# KiCad board right.kicad_pcb
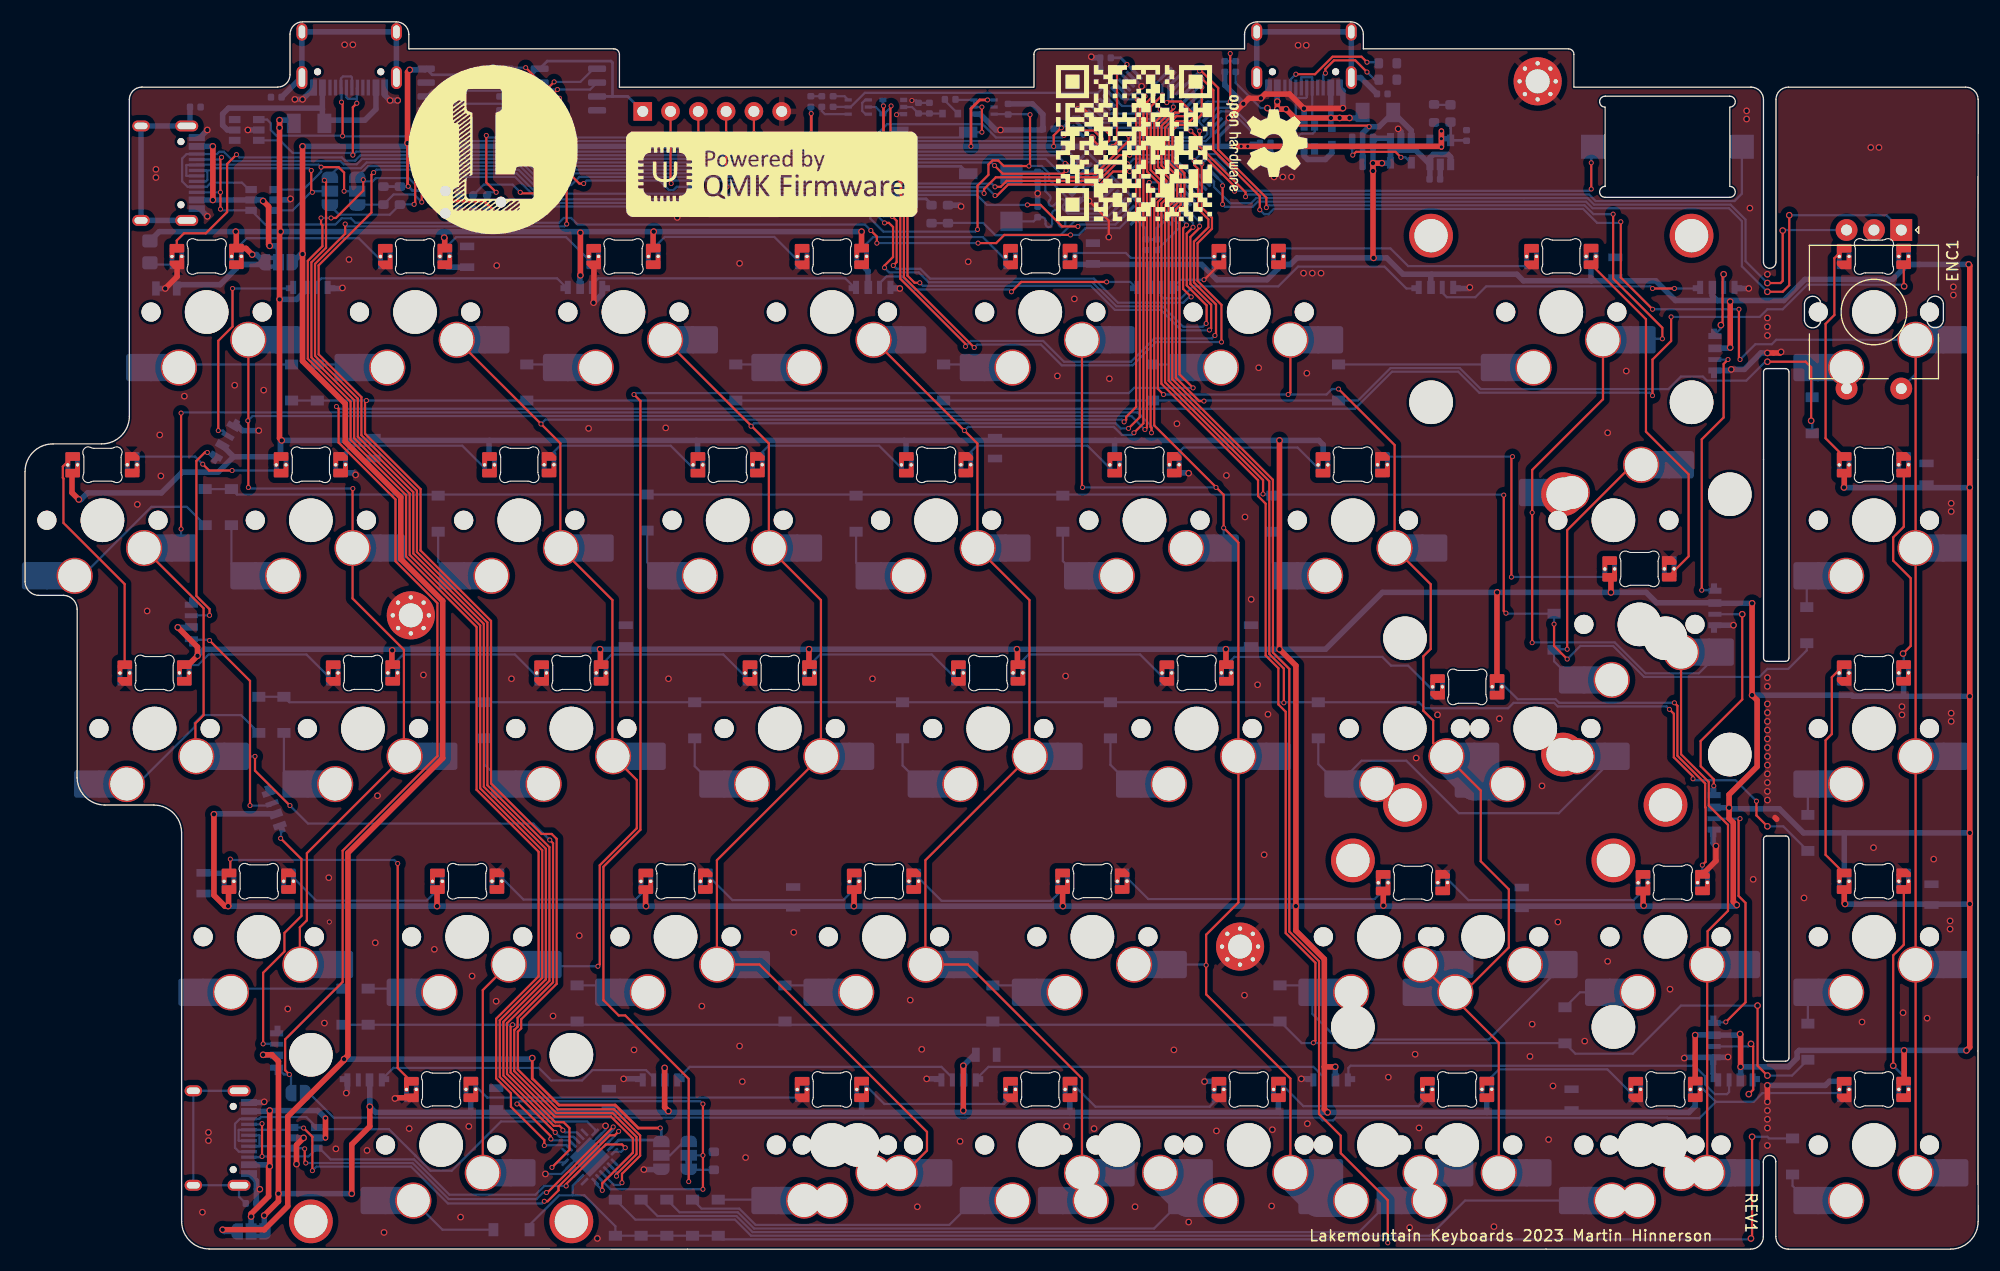
[diagram p0: board, top side]
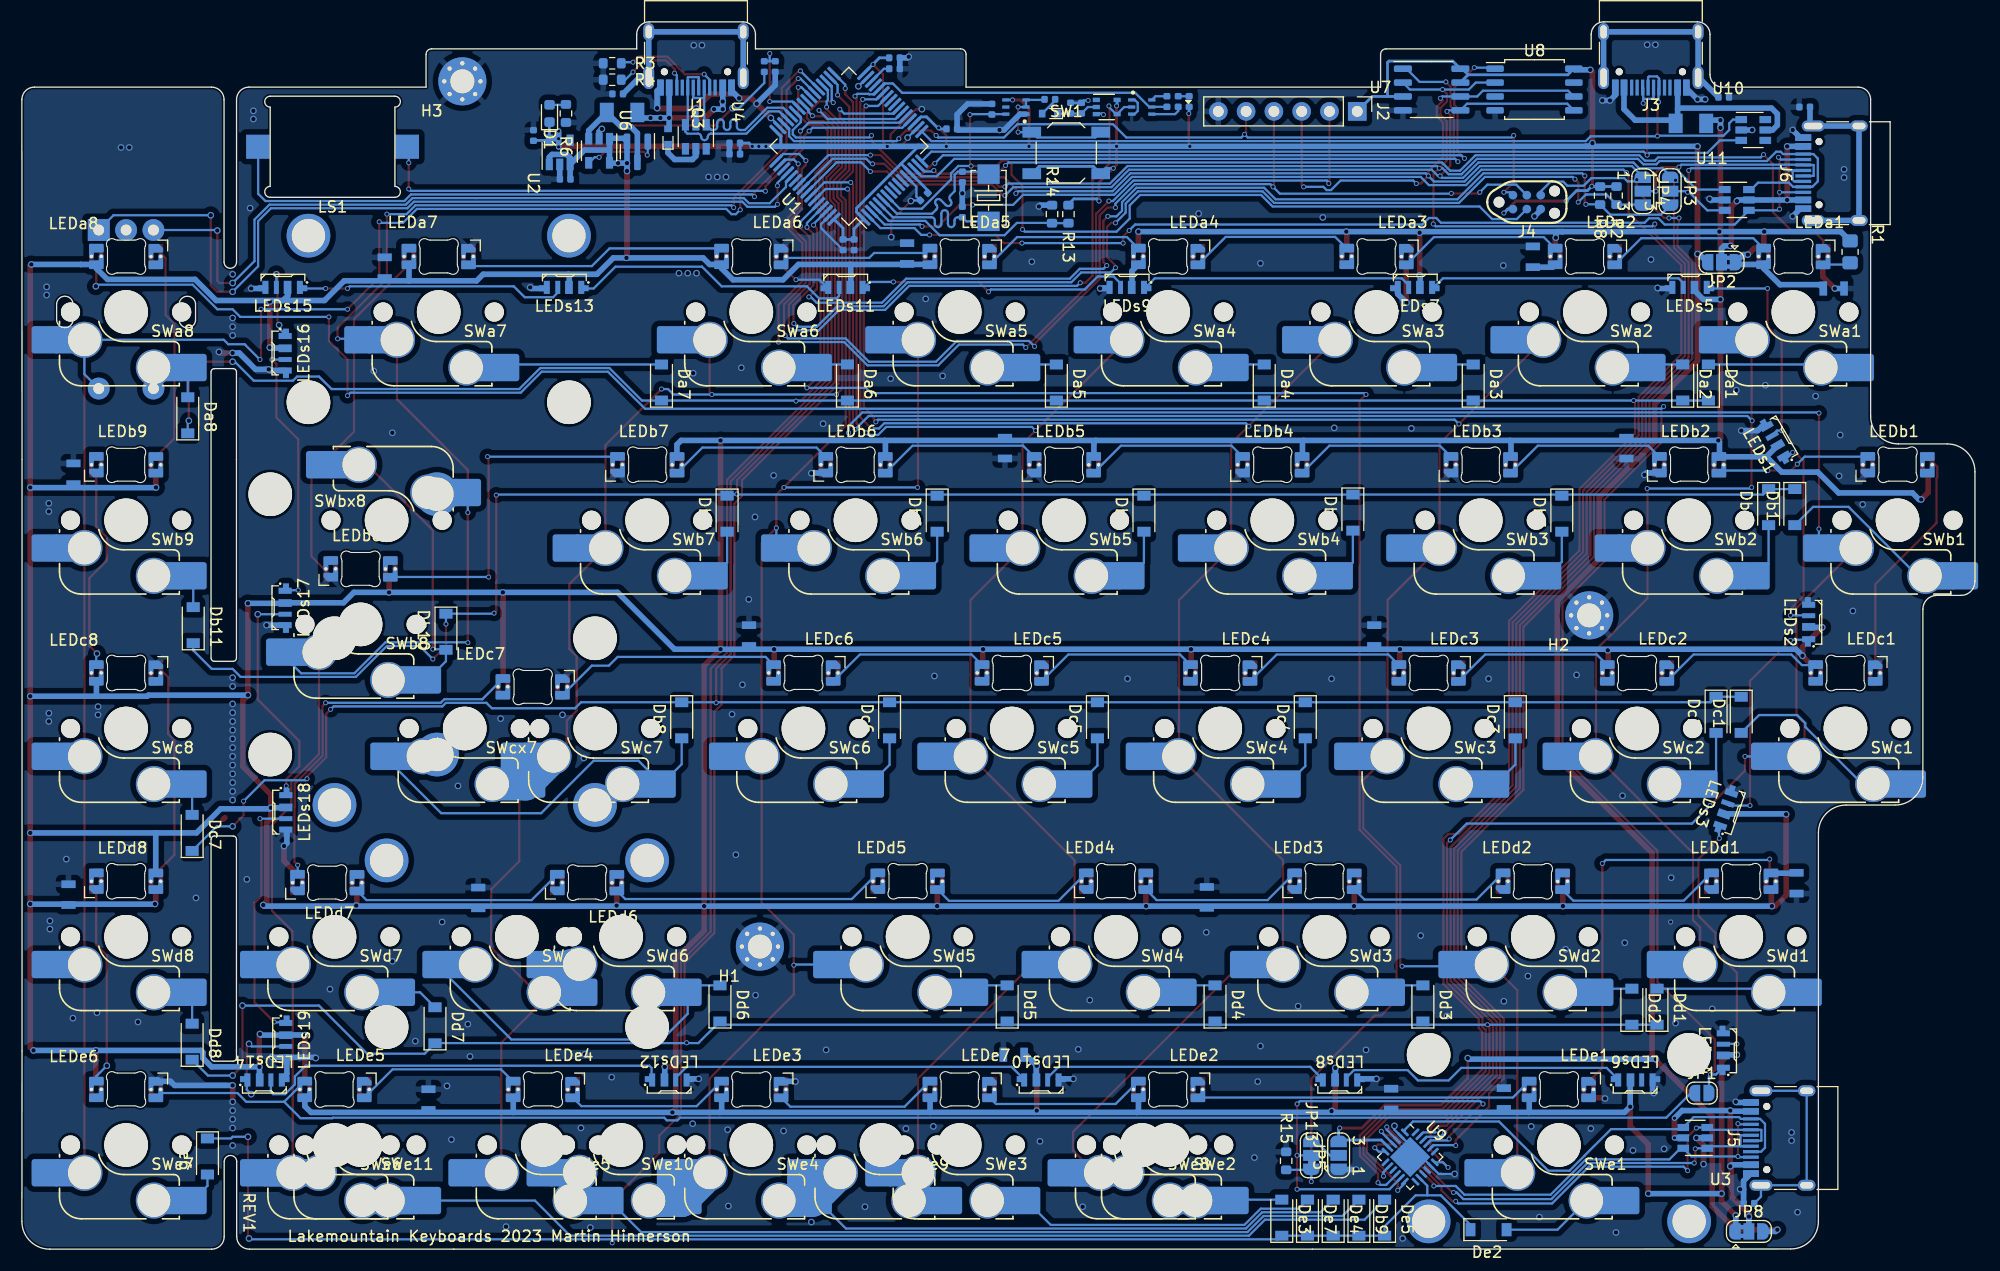
[diagram p1: board, bottom side, seen from below]

Outline 178.52 x 112.27 mm; copper layers: Top, Bottom. Coordinates in mm from the lower left corner of the outline.
Outline path: 0,71.12 0,61.07 arc(0.37,60.18) 1.27,59.8 3.49,59.8 arc(4.39,59.43) 4.76,58.53 4.76,43.16 arc(5.5,41.37) 7.3,40.62 11.77,40.62 arc(13.57,39.88) 14.31,38.08 14.31,2.55 arc(15.05,0.76) 16.85,0.01 60.56,0 157.72,0 arc(158.54,0.32) 158.89,1.14 158.89,8 arc(159.46,8.57) 160.03,8 160.03,1.14 arc(160.37,0.33) 161.17,0 175.99,0 arc(177.78,0.74) 178.52,2.54 178.51,18.12 178.51,72.22 178.52,105.16 arc(178.19,105.96) 177.38,106.3 161.19,106.3 arc(160.38,105.96) 160.05,105.16 160.05,90.3 arc(159.48,89.73) 158.9,90.3 158.9,105.16 arc(158.57,105.96) 157.76,106.3 141.58,106.3 141.58,109.3 arc(141.43,109.65) 141.08,109.8 122.33,109.8 122.33,111.12 arc(121.99,111.93) 121.18,112.27 112.61,112.27 arc(111.8,111.93) 111.47,111.12 111.47,109.8 92.72,109.8 arc(92.37,109.65) 92.22,109.3 92.22,106.3 54.33,106.3 54.33,109.3 arc(54.18,109.65) 53.83,109.8 35.08,109.8 35.08,111.12 arc(34.74,111.93) 33.94,112.27 25.36,112.27 arc(24.55,111.93) 24.22,111.12 24.22,107.44 arc(23.89,106.63) 23.08,106.3 10.68,106.3 arc(9.87,105.96) 9.53,105.16 9.53,76.2 arc(8.79,74.4) 6.99,73.66 2.54,73.66 arc(0.74,72.92) 0,71.12 ; 158.91,80.25 arc(159,80.46) 159.21,80.55 160.93,80.55 arc(161.14,80.46) 161.23,80.25 161.23,54.07 arc(161.14,53.86) 160.93,53.77 159.21,53.77 arc(159,53.86) 158.91,54.07 158.91,80.25 ; 158.91,37.5 158.91,17.49 arc(159,17.28) 159.21,17.19 160.93,17.19 arc(161.14,17.28) 161.23,17.49 161.23,37.5 arc(161.14,37.71) 160.93,37.8 159.21,37.8 arc(159,37.71) 158.91,37.5
Stack: Top 0.035mm / dielectric 1.51mm FR4 er 4.5 / Bottom 0.035mm

## Placement (name value [footprint] x y rotation side)
C1  cap_100nF_16v_0402  [C_0402_1005Metric]  96.06 96.28 315 bottom
C2  cap_100nF_16v_0402  [C_0402_1005Metric]  89.86 104.28 90 bottom
C3  cap_100nF_16v_0402  [C_0402_1005Metric]  102.46 91.88 270 bottom
C4  cap_1uF_10v_0402  [C_0402_1005Metric]  128.86 97.88 0 bottom
C5  cap_100nF_16v_0402  [C_0402_1005Metric]  103.46 91.88 270 bottom
C6  cap_100nF_16v_0402  [C_0402_1005Metric]  98.76 108.98 180 bottom
C7  cap_4.7uF_10v_0402  [C_0402_1005Metric]  113.36 100.18 0 bottom
C8  cap_1uF_10v_0402  [C_0402_1005Metric]  131.76 101.88 90 bottom
C9  cap_100nF_16v_0402  [C_0402_1005Metric]  113.36 101.18 0 bottom
C10  cap_10uF_10v_0402  [C_0402_1005Metric]  82.66 104.38 90 bottom
C11  cap_100nF_16v_0402  [C_0402_1005Metric]  93.52 102.47 180 bottom
C12  cap_4.7uF_10v_0402  [C_0402_1005Metric]  98.76 107.98 180 bottom
C13  100n  [C_0805]  31.86 73.28 270 bottom
C14  100n  [C_0805]  87.86 17.78 180 bottom
C15  100n  [C_0805]  174.26 32.43 90 bottom
C16  100n  [C_0805]  136.81 32.13 270 bottom
C17  100n  [C_0805]  173.81 70.93 90 bottom
C18  100n  [C_0805]  145.36 89.78 90 bottom
C19  100n  [C_0805]  88.66 73.28 90 bottom
C20  100n  [C_0805]  43.06 13.78 90 bottom
C21  10u  [C_0805]  12.91 87.88 180 bottom
C22  cap_20pF_50v_0402  [C_0402_1005Metric]  92.56 94.88 90 bottom
C23  cap_20pF_50v_0402  [C_0402_1005Metric]  92.56 98.08 270 bottom
C24  100n  [C_0805]  70.21 32.18 90 bottom
C25  100n  [C_0805]  112.06 56.13 270 bottom
C26  100n  [C_0805]  97.61 91.08 90 bottom
C27  100n  [C_0805]  40.41 90.78 270 bottom
C28  100n  [C_0805]  53.36 13.73 90 bottom
C29  100n  [C_0805]  141.36 13.68 90 bottom
C30  100n  [C_0805]  16.31 33.48 90 bottom
C31  100n  [C_0805]  54.91 56.13 90 bottom
D1  LED  [LED_0603_1608Metric]  130.29 103.89 90 bottom
D2  PMEG2010AEB  [D_SOD-523]  119.46 101.78 90 bottom
D3  SMD-LED-WHITE_0402_  [LED_0402]  72.83 104.98 90 bottom
Da1  D  [D_SOD-123]  24.36 79.28 90 bottom
Da2  D  [D_SOD-123]  26.71 79.28 90 bottom
Da3  D  [D_SOD-123]  45.86 79.28 90 bottom
Da4  D  [D_SOD-123]  64.96 79.28 90 bottom
Da5  D  [D_SOD-123]  83.96 79.28 90 bottom
Da6  D  [D_SOD-123]  103.06 79.28 90 bottom
Da7  D  [D_SOD-123]  120.06 79.28 90 bottom
Da8  D  [D_SOD-123]  163.36 76.28 90 bottom
Db1  D  [D_SOD-123]  16.46 67.88 270 bottom
Db2  D  [D_SOD-123]  18.86 67.88 270 bottom
Db3  D  [D_SOD-123]  37.76 67.28 270 bottom
Db4  D  [D_SOD-123]  56.86 67.38 270 bottom
Db5  D  [D_SOD-123]  75.96 67.28 270 bottom
Db6  D  [D_SOD-123]  94.86 67.28 270 bottom
Db7  D  [D_SOD-123]  114.06 67.28 270 bottom
Db8  D  [D_SOD-123]  118.21 48.38 270 bottom
Db9  D  [D_SOD-123]  56.31 2.88 90 bottom
Db10  D  [D_SOD-123]  139.76 56.48 270 bottom
Db11  D  [D_SOD-123]  162.86 57.08 90 bottom
Dc1  D  [D_SOD-123]  21.36 48.88 270 bottom
Dc2  D  [D_SOD-123]  23.66 48.88 270 bottom
Dc3  D  [D_SOD-123]  42.01 48.38 270 bottom
Dc4  D  [D_SOD-123]  61.21 48.38 270 bottom
Dc5  D  [D_SOD-123]  80.21 48.38 270 bottom
Dc6  D  [D_SOD-123]  99.21 48.38 270 bottom
Dc7  D  [D_SOD-123]  162.96 38.08 90 bottom
Dd1  D  [D_SOD-123]  29.06 22.18 90 bottom
Dd2  D  [D_SOD-123]  31.36 22.18 90 bottom
Dd3  D  [D_SOD-123]  50.46 22.48 90 bottom
Dd4  D  [D_SOD-123]  69.46 22.48 90 bottom
Dd5  D  [D_SOD-123]  88.46 22.48 90 bottom
Dd6  D  [D_SOD-123]  114.71 22.48 90 bottom
Dd7  D  [D_SOD-123]  140.76 20.48 90 bottom
Dd8  D  [D_SOD-123]  162.96 18.98 90 bottom
De1  1N4148  [D_SOD-523]  84.56 103.88 0 bottom
De2  D  [D_SOD-123]  44.46 1.78 180 bottom
De3  D  [D_SOD-123]  63.36 2.88 90 bottom
De4  D  [D_SOD-123]  58.66 2.88 90 bottom
De5  D  [D_SOD-123]  53.96 2.88 90 bottom
De6  D  [D_SOD-123]  161.56 8.48 270 bottom
De7  D  [D_SOD-123]  61.01 2.88 90 bottom
ENC1  Rotary_Encoder_Switch  [RotaryEncoder-Switch_Vertical_H20mm]  169 85.72 270 top
F1  3A  [F1206]  123.66 103.98 180 bottom
F2  1.5A  [F1206]  25.96 102.98 180 bottom
FB1  fb_0402_26ohm  [R_0402_1005Metric]  124.06 105.68 0 bottom
FB2  fb_0402_26ohm  [R_0402_1005Metric]  22.96 105.38 180 bottom
FB3  fb_0402_26ohm  [R_0402_1005Metric]  20.66 4.18 0 bottom
FB4  fb_0402_26ohm  [R_0402_1005Metric]  15.56 104.48 0 bottom
H1  M2  [MountingHole_2.2mm_M2_Pad_Via]  111.06 27.68 180 bottom
H2  M2  [MountingHole_2.2mm_M2_Pad_Via]  35.26 57.98 180 bottom
H3  M2  [MountingHole_2.2mm_M2_Pad_Via]  138.26 106.83 180 bottom
J1  USB_EXT  [USB_C_Receptacle_HRO_TYPE-C-31-M-12]  116.91 110.3 0 bottom
J2  Conn_01x06  [PinHeader_1x06_P2.54mm_Vertical]  56.46 104.08 270 bottom
J3  USB_Conn_1  [USB_C_Receptacle_HRO_TYPE-C-31-M-12]  29.63 110.3 0 bottom
J4  JTAG_TC2030  [CON_TC2030_outlined]  40.96 95.78 180 bottom
J5  USB_Link  [USB_C_Receptacle_HRO_TYPE-C-31-M-12]  16.43 10.16 90 bottom
J6  USB_Conn_2  [USB_C_Receptacle_HRO_TYPE-C-31-M-12]  11.65 98.42 90 bottom
JP1  60%  [SolderJumper-2_P1.3mm_Open_RoundedPad1.0x1.5mm]  24.96 14.28 180 bottom
JP2  SolderJumper_3_Bridged12  [SolderJumper-3_P1.3mm_Bridged2Bar12_RoundedPad1.0x1.5mm]  23.16 90.28 0 bottom
JP3  SPI/I2C  [SolderJumper-3_P1.3mm_Open_RoundedPad1.0x1.5mm_NumberLabels]  27.86 96.78 270 bottom
JP4  SPI/I2C  [SolderJumper-3_P1.3mm_Open_RoundedPad1.0x1.5mm_NumberLabels]  30.36 96.78 270 bottom
JP5  MUX_SEL  [SolderJumper-3_P1.3mm_Open_RoundedPad1.0x1.5mm_NumberLabels]  58.16 8.58 90 bottom
JP8  Jumper:SolderJumper-3_P1.3mm_Bridged2Bar12_RoundedPad1.0x1.5mm  [SolderJumper-3_P1.3mm_Bridged2Bar12_RoundedPad1.0x1.5mm]  20.66 1.62 180 bottom
JP13  MUX_SEL  [SolderJumper-3_P1.3mm_Bridged12_RoundedPad1.0x1.5mm]  60.66 8.58 90 bottom
LEDa1  MX_SK6812MINI-E  [LED_MX_6028R]  16.6 90.8 0 bottom
LEDa2  MX_SK6812MINI-E  [LED_MX_6028R]  35.65 90.8 0 bottom
LEDa3  MX_SK6812MINI-E  [LED_MX_6028R]  54.7 90.8 0 bottom
LEDa4  MX_SK6812MINI-E  [LED_MX_6028R]  73.75 90.8 0 bottom
LEDa5  MX_SK6812MINI-E  [LED_MX_6028R]  92.8 90.8 0 bottom
LEDa6  MX_SK6812MINI-E  [LED_MX_6028R]  111.85 90.8 0 bottom
LEDa7  MX_SK6812MINI-E  [LED_MX_6028R]  140.43 90.8 0 bottom
LEDa8  MX_SK6812MINI-E  [LED_MX_6028R]  169 90.8 0 bottom
LEDb1  MX_SK6812MINI-E  [LED_MX_6028R_Flipped]  7.07 71.75 0 bottom
LEDb2  MX_SK6812MINI-E  [LED_MX_6028R_Flipped]  26.12 71.75 0 bottom
LEDb3  MX_SK6812MINI-E  [LED_MX_6028R_Flipped]  45.17 71.75 0 bottom
LEDb4  MX_SK6812MINI-E  [LED_MX_6028R_Flipped]  64.22 71.75 0 bottom
LEDb5  MX_SK6812MINI-E  [LED_MX_6028R_Flipped]  83.27 71.75 0 bottom
LEDb6  MX_SK6812MINI-E  [LED_MX_6028R_Flipped]  102.33 71.75 0 bottom
LEDb7  MX_SK6812MINI-E  [LED_MX_6028R_Flipped]  121.36 71.75 0 bottom
LEDb8  MX_SK6812MINI-E  [LED_MX_6028R_Flipped]  147.57 62.23 0 bottom
LEDb9  MX_SK6812MINI-E  [LED_MX_6028R_Flipped]  169 71.75 0 bottom
LEDc1  MX_SK6812MINI-E  [LED_MX_6028R]  11.84 52.7 0 bottom
LEDc2  MX_SK6812MINI-E  [LED_MX_6028R]  30.89 52.7 0 bottom
LEDc3  MX_SK6812MINI-E  [LED_MX_6028R]  49.94 52.7 0 bottom
LEDc4  MX_SK6812MINI-E  [LED_MX_6028R]  68.99 52.7 0 bottom
LEDc5  MX_SK6812MINI-E  [LED_MX_6028R]  88.04 52.7 0 bottom
LEDc6  MX_SK6812MINI-E  [LED_MX_6028R]  107.09 52.7 0 bottom
LEDc7  MX_SK6812MINI-E  [LED_MX_6028R]  131.83 51.43 0 bottom
LEDc8  MX_SK6812MINI-E  [LED_MX_6028R]  169 52.7 0 bottom
LEDd1  MX_SK6812MINI-E  [LED_MX_6028R_Flipped]  21.36 33.65 0 bottom
LEDd2  MX_SK6812MINI-E  [LED_MX_6028R_Flipped]  40.41 33.65 0 bottom
LEDd3  MX_SK6812MINI-E  [LED_MX_6028R_Flipped]  59.46 33.65 0 bottom
LEDd4  MX_SK6812MINI-E  [LED_MX_6028R_Flipped]  78.51 33.65 0 bottom
LEDd5  MX_SK6812MINI-E  [LED_MX_6028R_Flipped]  97.56 33.65 0 bottom
LEDd6  MX_SK6812MINI-E  [LED_MX_6028R_SOLO]  126.86 33.53 180 bottom
LEDd7  MX_SK6812MINI-E  [LED_MX_6028R_SOLO]  150.61 33.53 180 bottom
LEDd8  MX_SK6812MINI-E  [LED_MX_6028R_Flipped]  169 33.65 0 bottom
LEDe1  MX_SK6812MINI-E  [LED_MX_6028R]  38.03 14.6 0 bottom
LEDe2  MX_SK6812MINI-E  [LED_MX_6028R]  73.75 14.6 0 bottom
LEDe3  MX_SK6812MINI-E  [LED_MX_6028R]  111.85 14.6 0 bottom
LEDe4  MX_SK6812MINI-E  [LED_MX_6028R]  130.9 14.6 0 bottom
LEDe5  MX_SK6812MINI-E  [LED_MX_6028R]  149.95 14.6 0 bottom
LEDe6  MX_SK6812MINI-E  [LED_MX_6028R]  169 14.6 0 bottom
LEDe7  MX_SK6812MINI-E  [LED_MX_6028R]  92.8 14.6 0 bottom
LEDs1  MX_SK6812MINI-E  [sk6812side#2]  18.07 73.98 60 bottom
LEDs2  MX_SK6812MINI-E  [sk6812side]  15 57.34 90 bottom
LEDs3  MX_SK6812MINI-E  [sk6812side]  22.6 40.14 109 bottom
LEDs4  MX_SK6812MINI-E  [sk6812side]  22.8 18.14 90 bottom
LEDs5  MX_SK6812MINI-E  [sk6812side]  26.06 88.18 0 bottom
LEDs6  MX_SK6812MINI-E  [sk6812side]  31.06 15.28 180 bottom
LEDs7  MX_SK6812MINI-E  [sk6812side]  51.16 88.18 0 bottom
LEDs8  MX_SK6812MINI-E  [sk6812side]  58.06 15.28 180 bottom
LEDs9  MX_SK6812MINI-E  [sk6812side]  77.5 88.18 0 bottom
LEDs10  MX_SK6812MINI-E  [sk6812side]  85.36 15.28 180 bottom
LEDs11  MX_SK6812MINI-E  [sk6812side]  103.22 88.18 0 bottom
LEDs12  MX_SK6812MINI-E  [sk6812side]  119.36 15.28 180 bottom
LEDs13  MX_SK6812MINI-E  [sk6812side]  128.94 88.18 0 bottom
LEDs14  MX_SK6812MINI-E  [sk6812side]  156.36 15.28 180 bottom
LEDs15  MX_SK6812MINI-E  [sk6812side]  154.66 88.18 0 bottom
LEDs16  MX_SK6812MINI-E  [sk6812side]  154.66 81.98 270 bottom
LEDs17  MX_SK6812MINI-E  [sk6812side]  154.66 58.68 270 bottom
LEDs18  MX_SK6812MINI-E  [sk6812side]  154.6 39.98 270 bottom
LEDs19  MX_SK6812MINI-E  [sk6812side]  154.6 19.14 270 bottom
LOGO1  QMK Logo  [QMK_PoweredBy]  68.26 98.33 0 top
LOGO2  OH Logo  [OSHW-Logo2_9.8x8mm_SilkScreen]  113.51 101.18 270 top
LOGO3  QR  [QR_Code]  101.36 101.18 0 top
LOGO4  Lakemountain Logo  [LOGO]  42.76 100.63 0 top
LS1  Buzzer  [Buzzer_Mallory_AST1109MLTRQ]  150.13 100.84 180 bottom
Q1  MUN5311DW1T1G  [SOT-363_SC-70-6_SC-88]  87.66 104.48 180 bottom
Q2  MUN5311DW1T1G  [SOT-363_SC-70-6_SC-88]  76.16 104.48 0 bottom
Q3  AO3401A  [SOT-23]  122.26 100.38 270 bottom
R1  5.1k  [R_0805_2012Metric_Pad1.20x1.40mm_HandSolder]  11.41 91.23 90 bottom
R2  5.1k  [R_0603_1608Metric]  32.76 96.38 270 bottom
R3  5.1k  [R_0603_1608Metric]  124.56 108.48 180 bottom
R4  5.1k  [R_0603_1608Metric]  124.56 106.98 180 bottom
R5  r_75_0402_1p  [R_0402_1005Metric]  84.56 105.18 180 bottom
R6  2k2  [R_0603_1608Metric]  128.79 103.89 270 bottom
R7  r_100k_0402_1p  [R_0402_1005Metric]  81.66 104.38 90 bottom
R8  5.1k  [R_0603_1608Metric]  34.26 96.38 270 bottom
R9  r_470_0402_1p  [R_0402_1005Metric]  73.86 104.98 270 bottom
R10  r_4.7k_0402_1p  [R_0402_1005Metric]  110.66 108.18 90 bottom
R11  r_10k_0402_1p  [R_0402_1005Metric]  109.66 108.18 270 bottom
R12  r_75_0402_1p  [R_0402_1005Metric]  71.83 104.98 90 bottom
R13  10k  [R_0603_1608Metric]  82.86 94.68 270 bottom
R14  10k  [R_0603_1608Metric]  84.36 94.68 90 bottom
R15  10k  [R_0603_1608Metric]  62.96 8.08 90 bottom
S1  MX_stab  [STAB_MX_P_2.75u]  38.03 9.52 180 top
S2  MX_stab  [STAB_MX_P_2u]  140.43 85.72 0 top
S3  MX_stab  [STAB_MX_P_ISO]  147.57 57.15 0 top
S4  MX_stab  [STAB_MX_P_2.25u]  138.04 47.62 180 top
S5  MX_stab  [STAB_MX_P_2.25u]  133.28 28.57 0 top
SW1  Reset  [SW_SPST_TL3342]  83.06 100.28 180 bottom
SWa1  MX_SW_HS  [SW_MX_HS_1u]  16.6 85.72 0 bottom
SWa2  MX_SW_HS  [SW_MX_HS_1u]  35.65 85.72 0 bottom
SWa3  MX_SW_HS  [SW_MX_HS_1u]  54.7 85.72 0 bottom
SWa4  MX_SW_HS  [SW_MX_HS_1u]  73.75 85.72 0 bottom
SWa5  MX_SW_HS  [SW_MX_HS_1u]  92.8 85.72 0 bottom
SWa6  MX_SW_HS  [SW_MX_HS_1u]  111.85 85.72 0 bottom
SWa7  MX_SW_HS  [SW_MX_HS_2u]  140.43 85.72 0 bottom
SWa8  MX_SW_HS  [SW_MX_HS_1u]  169 85.72 0 bottom
SWb1  MX_SW_HS  [SW_MX_HS_1u]  7.07 66.67 0 bottom
SWb2  MX_SW_HS  [SW_MX_HS_1u]  26.12 66.67 0 bottom
SWb3  MX_SW_HS  [SW_MX_HS_1u]  45.17 66.67 0 bottom
SWb4  MX_SW_HS  [SW_MX_HS_1u]  64.22 66.67 0 bottom
SWb5  MX_SW_HS  [SW_MX_HS_1u]  83.27 66.67 0 bottom
SWb6  MX_SW_HS  [SW_MX_HS_1u]  102.33 66.67 0 bottom
SWb7  MX_SW_HS  [SW_MX_HS_1u]  121.37 66.67 0 bottom
SWb8  MX_SW_HS  [SW_MX_HS_1u]  147.57 57.15 0 bottom
SWb9  MX_SW_HS  [SW_MX_HS_1u]  169 66.67 0 bottom
SWbx8  MX_SW_HS  [SW_MX_HS_1.5u]  145.19 66.67 180 bottom
SWc1  MX_SW_HS  [SW_MX_HS_1u]  11.84 47.62 0 bottom
SWc2  MX_SW_HS  [SW_MX_HS_1u]  30.89 47.62 0 bottom
SWc3  MX_SW_HS  [SW_MX_HS_1u]  49.94 47.62 0 bottom
SWc4  MX_SW_HS  [SW_MX_HS_1u]  68.99 47.62 0 bottom
SWc5  MX_SW_HS  [SW_MX_HS_1u]  88.04 47.62 0 bottom
SWc6  MX_SW_HS  [SW_MX_HS_1u]  107.09 47.62 0 bottom
SWc7  MX_SW_HS  [SW_MX_HS_1u]  126.12 47.62 0 bottom
SWc8  MX_SW_HS  [SW_MX_HS_1u]  169 47.62 0 bottom
SWcx7  MX_SW_HS  [SW_MX_HS_2.25u]  138.04 47.62 0 bottom
SWd1  MX_SW_HS  [SW_MX_HS_1u]  21.36 28.57 0 bottom
SWd2  MX_SW_HS  [SW_MX_HS_1u]  40.41 28.57 0 bottom
SWd3  MX_SW_HS  [SW_MX_HS_1u]  59.46 28.57 0 bottom
SWd4  MX_SW_HS  [SW_MX_HS_1u]  78.51 28.57 0 bottom
SWd5  MX_SW_HS  [SW_MX_HS_1u]  97.56 28.57 0 bottom
SWd6  MX_SW_HS  [SW_MX_HS_1.75u]  123.76 28.57 0 bottom
SWd7  MX_SW_HS  [SW_MX_HS_1u]  149.95 28.57 0 bottom
SWd8  MX_SW_HS  [SW_MX_HS_1u]  169 28.57 0 bottom
SWd9  MX_SW_HS  [SW_MX_HS_2.75u]  133.28 28.57 0 bottom
SWe1  MX_SW_HS  [SW_MX_HS_1.25u]  38.03 9.52 0 bottom
SWe2  MX_SW_HS  [SW_MX_HS_1u]  73.75 9.52 0 bottom
SWe3  MX_SW_HS  [SW_MX_HS_1u]  92.8 9.52 0 bottom
SWe4  MX_SW_HS  [SW_MX_HS_1u]  111.85 9.52 0 bottom
SWe5  MX_SW_HS  [SW_MX_HS_1u]  130.9 9.52 0 bottom
SWe6  MX_SW_HS  [SW_MX_HS_1u]  149.95 9.52 0 bottom
SWe7  MX_SW_HS  [SW_MX_HS_1u]  169 9.52 0 bottom
SWe8  MX_SW_HS  [SW_MX_HS_1.25u]  76.13 9.52 0 bottom
SWe9  MX_SW_HS  [SW_MX_HS_1.25u]  99.94 9.52 0 bottom
SWe10  MX_SW_HS  [SW_MX_HS_1.25u]  123.76 9.52 0 bottom
SWe11  MX_SW_HS  [SW_MX_HS_1.25u]  147.57 9.52 0 bottom
U1  STM32F411RETx  [LQFP-64_10x10mm_P0.5mm]  102.93 100.88 45 bottom
U2  AAP2967-33VIR1  [SOT-23-5]  129.36 100.33 270 bottom
U3  SRV05-4  [SOT-23-6]  25.56 10.18 0 bottom
U4  SRV05-4  [SOT-23-6]  116.92 101.75 270 bottom
U5  SN74LV1T34DCKR  [SOT-353_SC-70-5]  79.36 104.48 0 bottom
U6  LMV321  [SOT-23-5]  125.76 100.48 90 bottom
U7  MB85RS64PNF-G-JNERE1  [SOP-8_3.9x4.9mm_P1.27mm]  49.66 106.08 180 bottom
U8  W25Q128JVSIQ  [SOIC-8_5.23x5.23mm_P1.27mm]  40.26 106.08 180 bottom
U9  TS3A27518ERTW  [WQFN-24-1EP_4x4mm_P0.5mm_EP2.6x2.6mm]  51.62 8.43 225 bottom
U10  SRV05-4  [SOT-23-6]  20.26 102.38 180 bottom
U11  SRV05-4  [SOT-23-6]  21.76 95.98 180 bottom
Y1  SMD-CRYSTAL-8MHZ-20PF-10PPM_2P-5.0X3.2MM_  [X2-SMD-5.0X3.2X1.3MM]  90.16 96.18 90 bottom

## Library data of the parts
C1-C3 C5 C6 C9 C11 = -: Display value: 0.1uF; LCSC: C1525; MPN: CL05B104KO5NNNC; Mfg: Samsung
C4 C8 = -: Display value: 1uF; LCSC: C52923; MPN: CC0402KRX5R6BB105; Mfg: Yageo
C7 C12 = -: Display value: 4.7uF; LCSC: C23733; MPN: CL05A475MP5NRNC; Mfg: Samsung
C10 = -: Display value: 10uF; LCSC: C19702; MPN: CL10A106KP8NNNC; Mfg: Samsung
C13-C20 C24-C31 = -: Description: Unpolarized capacitor; LCSC: C495959
C21 = -: Description: Unpolarized capacitor; LCSC: C90544
C22 C23 = -: Display value: 20pF; LCSC: C1554; MPN: 0402CG200J500NT; Mfg: Guangdong Fenghua Advanced Tech
D1 = -: JLCPCB BOM: 0; LCSC: C72041; LCSC Part: C72041
D2 = -: Description: 20V 1A Schottky Diode, SOD-123; LCSC: C282563
D3 = -: LCSC: C74342; MPN: 16-219A/T2D-AR2T1QY/3T
Da1-Da8 Db1-Db11 Dc1-Dc7 Dd1-Dd8 De2-De7 = -: Description: Diode; LCSC: C81598
De1 = -: Description: Diode; LCSC: C68948
ENC1 = -: JLCPCB BOM: 0
F1 = -: LCSC: C89656; MPN: SMD0805-050
F2 = -: LCSC: C89655; MPN: SMD0805-050
FB1-FB4 = -: Display value: 26ohm; LCSC: C668229; MPN: CBG100505U260T; Mfg: FH
H1-H3 = -: Description: Mounting Hole with connection
J1 J3 J5 J6 = -: LCSC: C165948; Mouser: C165948
J2 = -: Description: Generic connector, single row, 01x06, script generated (kicad-library-utils/schlib/autogen/connector/)
J4 = -: Description: 6-pin TC2030 connector for JTAG programming
JP1 = -: Description: Solder Jumper, 2-pole, open
JP2 JP8 JP13 = -: Description: 3-pole Solder Jumper, pins 1+2 closed/bridged
JP3-JP5 = -: Description: Solder Jumper, 3-pole, open
LEDa1-LEDa8 LEDb1-LEDb9 LEDc1-LEDc8 LEDd1-LEDd8 LEDe1-LEDe7 = -: Description: Reverse mount adressable LED (WS2812 protocol); LCSC: C5149201; Field5: 1
LEDs1-LEDs19 = -: Description: Reverse mount adressable LED (WS2812 protocol); LCSC: C2890037
LOGO1-LOGO4 = -: Description: Fiducial Marker
LS1 = -: LCSC: C201047
Q1 Q2 = -: Description: 1NPN,1PNP Pre-biased dual transistor, 10K/10K, SOT-23; LCSC: C152542
Q3 = -: Description: -4.0A Id, -30V Vds, P-Channel MOSFET, SOT-23; JLCPCB BOM: 1; LCSC: C15127; LCSC Part: C15127
R1-R4 R8 = -: LCSC: C104384; Mouser: C27834
R5 R12 = -: Display value: 75; LCSC: C25133; MPN: 0402WGF750JTCE; Mfg: Uniroyal
R6 = -: LCSC: C4190
R7 = -: Display value: 100k; LCSC: C25741; MPN: 0402WGF1003TCE
R9 = -: Display value: 470; LCSC: C25117; MPN: 0402WGF4700TCE; Mfg: Uniroyal
R10 = -: Display value: 4.7k; LCSC: C25900; MPN: 0402WGF4701TCE
R11 = -: Display value: 10k; LCSC: C25744; MPN: 0402WGF1002TCE
R13 = -: JLCPCB BOM: 0; LCSC: C25804
R14 R15 = -: JLCPCB BOM: 1; LCSC: C25804
S1-S3 = -: Description: Cherry MX-style stabilizer
S4 S5 = -: Description: Cherry MX-style stabilizer; JLCPCB BOM: 0
SW1 = -: LCSC: C318884; Mouser: C318884
SWa1-SWa8 SWb1-SWb9 SWc1-SWc8 SWd1-SWd8 SWe1-SWe7 = -: Description: Push button switch, normally open, two pins, 45° tilted; LCSC: C2803348
SWbx8 SWcx7 SWd9 SWe8-SWe11 = -: Description: Push button switch, normally open, two pins, 45° tilted; JLCPCB BOM: 0; LCSC: C2803348
U1 = -: Description: ARM Cortex-M4 MCU, 512KB flash, 128KB RAM, 100MHz, 1.7-3.6V, 50 GPIO, LQFP-64
U2 = -: Description: 300mA Low-dropout Voltage Regulator, Vout 3.3V, Vin up to 5.5V, SOT-23; LCSC: C370742
U3 U4 U10 U11 = -: Description: ESD Protection Diodes with Low Clamping Voltage, SOT-23-6; LCSC: C85364
U5 = -: Description: Single Buffer, SC70-5; LCSC: C78541
U6 = -: Description: Low-Voltage Rail-to-Rail Output Operational Amplifiers, SOT-23-5/SC-70-5; JLCPCB BOM: 1; LCSC: C90297; LCSC Part: C90297
U7 = -: Description: 64Kb serial FRAM nonvolatile Memory, SOP-8; LCSC: C8741
U8 = -: Description: 128Mb Serial Flash Memory, Standard/Dual/Quad SPI, SOIC-8; LCSC: C97521
U9 = -: Description: 6-channel analog mux, WQFN-24; LCSC: C2651937
Y1 = -: LCSC: C115962; MPN: X50328MSB2GI
